# KiCad board 10133.kicad_pcb
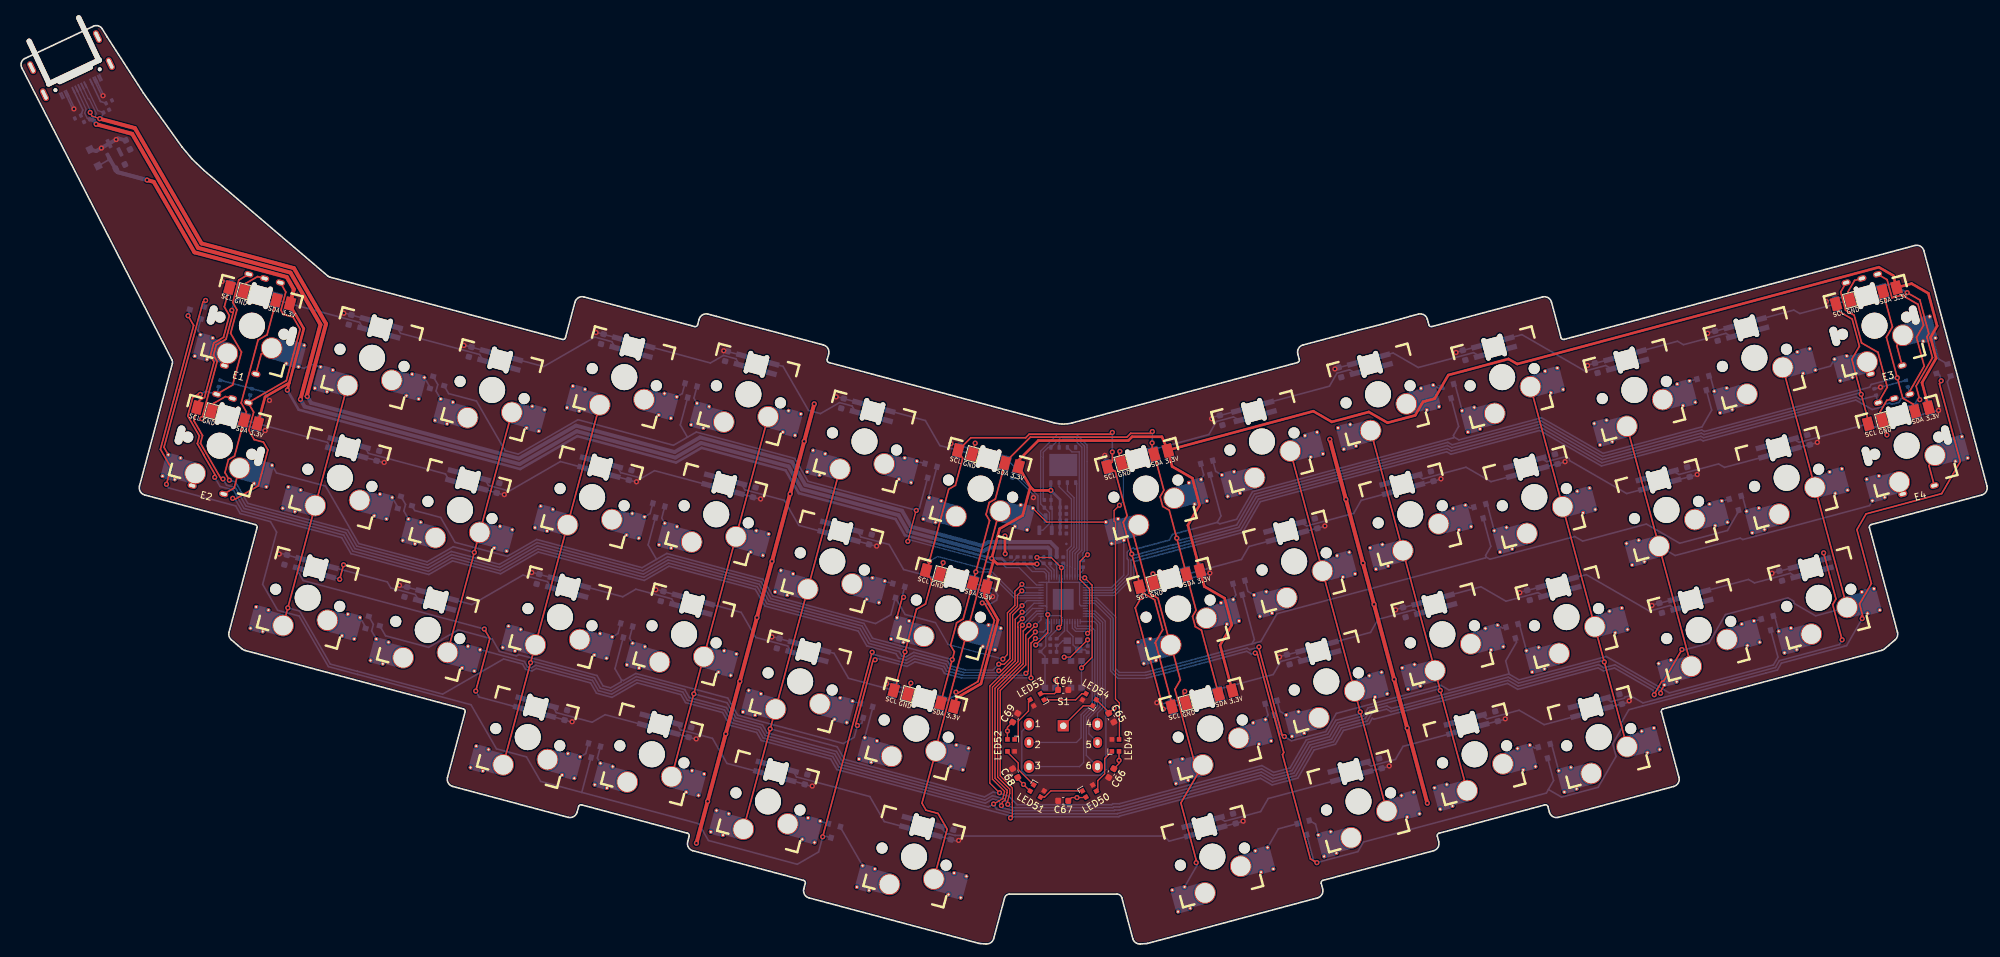
[diagram p0: board, top side]
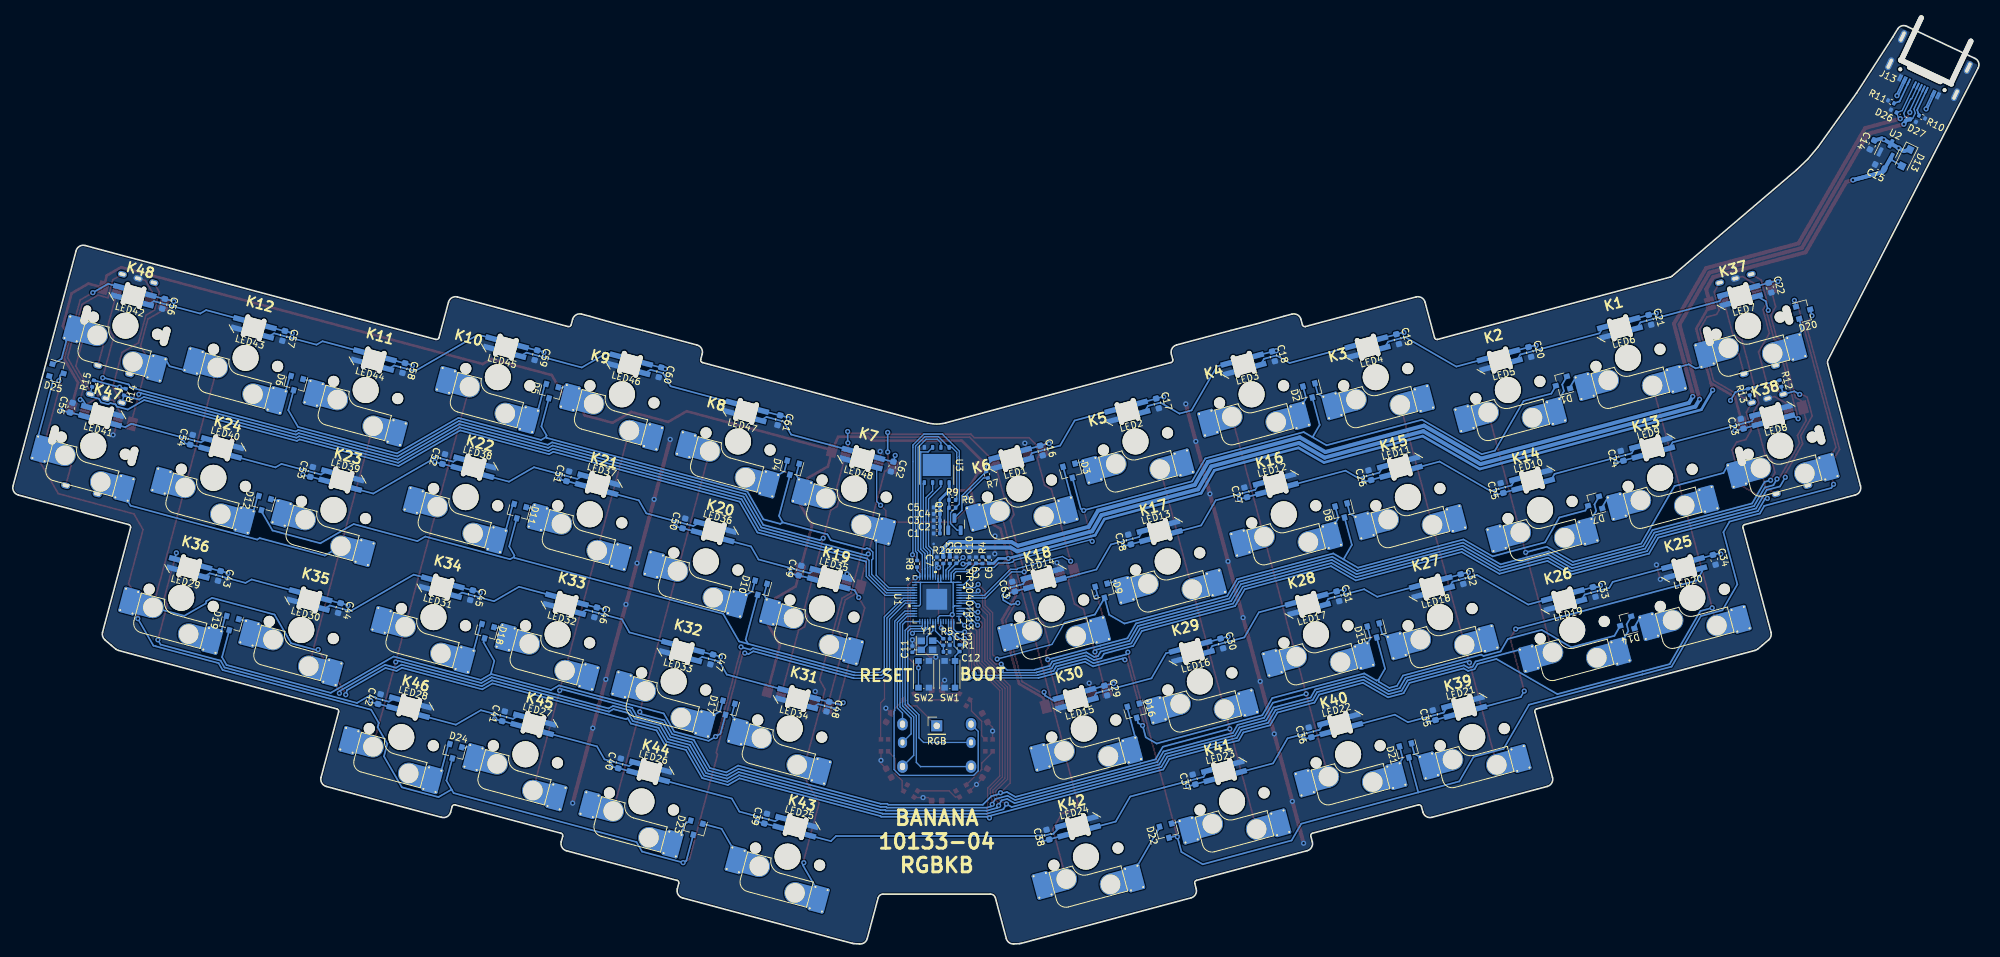
[diagram p1: board, bottom side, seen from below]

Outline 301.15 x 140.78 mm; copper layers: Top, Bottom. Coordinates in mm from the lower left corner of the outline.
Outline path: 0.06,134.36 arc(0,135.18) 0.55,135.79 11.04,140.73 arc(11.79,140.78) 12.38,140.33 13.17,139.04 18.7,130.47 24.59,122.23 26.19,120.32 27.97,118.62 46.97,102.4 arc(47.11,102.31) 47.27,102.25 82.9,92.7 arc(83.18,92.74) 83.36,92.96 84.82,98.42 arc(85.34,99.1) 86.2,99.21 103.15,94.67 arc(103.43,94.71) 103.61,94.93 103.84,95.78 arc(104.36,96.47) 105.21,96.58 106.49,96.24 arc(110.5,95.12) 114.54,94.08 122.89,91.84 arc(123.57,91.32) 123.69,90.47 123.46,89.61 arc(123.49,89.33) 123.72,89.16 158.24,79.91 arc(159.63,79.72) 161.02,79.91 195.53,89.16 arc(195.76,89.33) 195.8,89.61 195.57,90.47 arc(195.68,91.32) 196.36,91.84 204.72,94.08 arc(208.75,95.12) 212.77,96.24 214.04,96.58 arc(214.89,96.47) 215.42,95.78 215.65,94.93 arc(215.82,94.71) 216.11,94.67 233.06,99.21 arc(233.91,99.1) 234.44,98.42 235.9,92.96 arc(236.07,92.74) 236.36,92.7 290.11,107.1 arc(290.96,106.99) 291.49,106.31 301.15,70.23 arc(301.04,69.38) 300.36,68.85 283.41,64.31 arc(283.18,64.13) 283.14,63.85 287.44,47.79 arc(287.43,47.18) 287.1,46.66 arc(286.6,46.22) 286.09,45.79 285.43,45.24 arc(285.23,45.1) 285,45.02 251.54,36.05 arc(251.31,35.87) 251.27,35.59 253.96,25.54 arc(253.85,24.68) 253.17,24.16 235.49,19.42 arc(234.64,19.53) 234.11,20.22 233.89,21.07 arc(233.71,21.3) 233.43,21.33 217.2,16.99 arc(216.97,16.81) 216.93,16.53 217.16,15.68 arc(217.05,14.82) 216.37,14.3 199.41,9.76 arc(199.19,9.58) 199.15,9.3 199.38,8.44 arc(199.27,7.59) 198.58,7.07 172.55,0.09 arc(172.44,0.07) 172.33,0.06 171.44,0 arc(170.71,0.21) 170.28,0.83 168.61,7.09 arc(168.34,7.49) 167.88,7.64 151.37,7.64 arc(150.92,7.49) 150.65,7.09 148.97,0.83 arc(148.54,0.21) 147.82,0 146.92,0.06 arc(146.81,0.07) 146.7,0.09 120.67,7.07 arc(119.99,7.59) 119.88,8.44 120.11,9.3 arc(120.07,9.58) 119.84,9.76 102.89,14.3 arc(102.2,14.82) 102.09,15.68 102.32,16.53 arc(102.28,16.81) 102.06,16.99 85.83,21.33 arc(85.54,21.3) 85.37,21.07 85.14,20.22 arc(84.62,19.53) 83.76,19.42 66.09,24.16 arc(65.4,24.68) 65.29,25.54 67.98,35.59 arc(67.95,35.87) 67.72,36.05 34.25,45.02 arc(34.02,45.1) 33.82,45.24 33.16,45.79 arc(32.66,46.22) 32.15,46.66 arc(31.82,47.18) 31.81,47.79 36.11,63.85 arc(36.08,64.13) 35.85,64.31 18.9,68.85 arc(18.21,69.38) 18.1,70.23 23.13,89.01 arc(23.15,89.28) 23.08,89.55 0.06,134.36
Stack: Top 0.035mm / dielectric 1.51mm FR4 er 4.5 / Bottom 0.035mm

## Placement (name value [footprint] x y rotation side)
C1  100nF  [C_0402_1005Metric]  159.63 62.95 0 bottom
C2  100nF  [C_0402_1005Metric]  159.63 63.95 0 bottom
C3  100nF  [C_0402_1005Metric]  159.63 64.95 0 bottom
C4  100nF  [C_0402_1005Metric]  159.63 65.95 0 bottom
C5  100nF  [C_0402_1005Metric]  159.63 66.95 0 bottom
C6  100nF  [C_0402_1005Metric]  151.63 58.85 90 bottom
C7  2.2uF  [C_0402_1005Metric]  159.63 58.85 90 bottom
C8  2.2uF  [C_0402_1005Metric]  156.63 58.85 90 bottom
C9  2.2uF  [C_0402_1005Metric]  153.63 58.85 90 bottom
C10  2.2uF  [C_0402_1005Metric]  154.63 58.85 90 bottom
C11  15pF  [C_0402_1005Metric]  163.37 45.21 90 bottom
C12  15pF  [C_0402_1005Metric]  158.13 44.8 0 bottom
C13  2.2uF  [C_0402_1005Metric]  157.63 46.3 270 bottom
C14  100nF  [C_0603_1608Metric]  16.31 122.53 116 bottom
C15  100nF  [C_0603_1608Metric]  15.15 119.19 26 bottom
C16  100nF  [C_0603_1608Metric]  143.59 75.66 255 bottom
C17  100nF  [C_0603_1608Metric]  125.81 82.89 255 bottom
C18  100nF  [C_0603_1608Metric]  108.02 90.12 255 bottom
C19  100nF  [C_0603_1608Metric]  89.01 92.75 255 bottom
C20  100nF  [C_0603_1608Metric]  68.76 90.78 255 bottom
C21  100nF  [C_0603_1608Metric]  50.36 95.71 255 bottom
C22  100nF  [C_0603_1608Metric]  31.96 100.64 255 bottom
C23  100nF  [C_0603_1608Metric]  36.23 79.78 75 bottom
C24  100nF  [C_0603_1608Metric]  54.63 74.84 75 bottom
C25  100nF  [C_0603_1608Metric]  73.03 69.91 75 bottom
C26  100nF  [C_0603_1608Metric]  93.28 71.88 75 bottom
C27  100nF  [C_0603_1608Metric]  112.29 69.25 75 bottom
C28  100nF  [C_0603_1608Metric]  130.08 62.02 75 bottom
C29  100nF  [C_0603_1608Metric]  133.73 38.86 255 bottom
C30  100nF  [C_0603_1608Metric]  115.95 46.09 255 bottom
C31  100nF  [C_0603_1608Metric]  98.16 53.32 255 bottom
C32  100nF  [C_0603_1608Metric]  79.15 55.95 255 bottom
C33  100nF  [C_0603_1608Metric]  58.9 53.98 255 bottom
C34  100nF  [C_0603_1608Metric]  40.5 58.91 255 bottom
C35  100nF  [C_0603_1608Metric]  83.42 35.08 75 bottom
C36  100nF  [C_0603_1608Metric]  102.43 32.45 75 bottom
C37  100nF  [C_0603_1608Metric]  120.22 25.22 75 bottom
C38  100nF  [C_0603_1608Metric]  142.6 16.76 75 bottom
C39  100nF  [C_0603_1608Metric]  185.85 19.22 105 bottom
C40  100nF  [C_0603_1608Metric]  208.24 27.69 105 bottom
C41  100nF  [C_0603_1608Metric]  226.02 34.92 105 bottom
C42  100nF  [C_0603_1608Metric]  245.04 37.55 105 bottom
C43  100nF  [C_0603_1608Metric]  269.56 56.44 285 bottom
C44  100nF  [C_0603_1608Metric]  251.16 51.51 285 bottom
C45  100nF  [C_0603_1608Metric]  230.91 53.48 285 bottom
C46  100nF  [C_0603_1608Metric]  211.89 50.85 285 bottom
C47  100nF  [C_0603_1608Metric]  194.1 43.62 285 bottom
C48  100nF  [C_0603_1608Metric]  176.32 36.39 285 bottom
C49  100nF  [C_0603_1608Metric]  180.59 57.26 105 bottom
C50  100nF  [C_0603_1608Metric]  198.37 64.49 105 bottom
C51  100nF  [C_0603_1608Metric]  216.16 71.72 105 bottom
C52  100nF  [C_0603_1608Metric]  235.18 74.35 105 bottom
C53  100nF  [C_0603_1608Metric]  255.43 72.38 105 bottom
C54  100nF  [C_0603_1608Metric]  273.83 77.31 105 bottom
C55  100nF  [C_0603_1608Metric]  292.23 82.24 105 bottom
C56  100nF  [C_0603_1608Metric]  278.1 98.18 285 bottom
C57  100nF  [C_0603_1608Metric]  259.7 93.25 285 bottom
C58  100nF  [C_0603_1608Metric]  241.3 88.31 285 bottom
C59  100nF  [C_0603_1608Metric]  221.05 90.28 285 bottom
C60  100nF  [C_0603_1608Metric]  202.03 87.65 285 bottom
C61  100nF  [C_0603_1608Metric]  183.82 80.31 285 bottom
C62  100nF  [C_0603_1608Metric]  166.46 73.19 285 bottom
C63  100nF  [C_0603_1608Metric]  147.86 54.79 75 bottom
C64  100nF  [C_0603_1608Metric]  159.63 38.95 180 top
C65  100nF  [C_0603_1608Metric]  166.99 34.7 120 top
C66  100nF  [C_0603_1608Metric]  166.99 26.2 60 top
C67  100nF  [C_0603_1608Metric]  159.63 21.95 0 top
C68  100nF  [C_0603_1608Metric]  152.27 26.2 300 top
C69  100nF  [C_0603_1608Metric]  152.27 34.7 240 top
D1  LBAV170LT1G  [SOT-23-minimal]  63.8 85.85 345 bottom
D2  LBAV170LT1G  [SOT-23-minimal]  102.34 84.77 255 bottom
D3  LBAV170LT1G  [SOT-23-minimal]  139.1 72.45 255 bottom
D4  LBAV170LT1G  [SOT-23-minimal#2]  181.88 72.92 285 bottom
D5  LBAV170LT1G  [SOT-23-minimal#2]  218.79 84.66 285 bottom
D6  LBAV170LT1G  [SOT-23-minimal#2]  257.9 85.89 285 bottom
D7  LBAV170LT1G  [SOT-23-minimal]  58.87 67.45 345 bottom
D8  LBAV170LT1G  [SOT-23-minimal]  97.41 66.37 255 bottom
D9  LBAV170LT1G  [SOT-23-minimal]  134.17 54.05 255 bottom
D10  LBAV170LT1G  [SOT-23-minimal#2]  186.81 54.52 285 bottom
D11  LBAV170LT1G  [SOT-23-minimal#2]  223.72 66.26 285 bottom
D12  LBAV170LT1G  [SOT-23-minimal#2]  262.84 67.49 285 bottom
D13  1N4007  [D_SOD-123F]  11.14 120.57 296 bottom
D14  LBAV170LT1G  [SOT-23-minimal]  53.94 49.05 345 bottom
D15  LBAV170LT1G  [SOT-23-minimal]  92.48 47.97 255 bottom
D16  LBAV170LT1G  [SOT-23-minimal]  129.24 35.65 255 bottom
D17  LBAV170LT1G  [SOT-23-minimal#2]  191.74 36.11 285 bottom
D18  LBAV170LT1G  [SOT-23-minimal#2]  228.65 47.85 285 bottom
D19  LBAV170LT1G  [SOT-23-minimal#2]  267.77 49.09 285 bottom
D20  LBAV170LT1G  [SOT-23-minimal]  26.76 97.04 165 bottom
D21  LBAV170LT1G  [SOT-23-minimal]  87.55 29.57 255 bottom
D22  LBAV170LT1G  [SOT-23-minimal]  124.31 17.25 255 bottom
D23  LBAV170LT1G  [SOT-23-minimal#2]  196.67 17.71 285 bottom
D24  LBAV170LT1G  [SOT-23-minimal#2]  233.58 29.45 285 bottom
D25  LBAV170LT1G  [SOT-23-minimal#2]  294.39 87.75 195 bottom
D26  GG0402052R542P  [D_0402_1005Metric]  13 127.7 26 bottom
D27  GG0402052R542P  [D_0402_1005Metric]  10.04 126.26 206 bottom
E1  encoder  [encoder_minimal]  35.32 94.81 75 top
E2  encoder  [encoder_minimal]  30.39 76.41 75 top
E3  encoder  [encoder_minimal]  283.93 94.81 105 top
E4  encoder  [encoder_minimal]  288.86 76.41 105 top
G***  LOGO  [RGBKB_Logo]  159.63 14.05 0 top
G***#2  LOGO  [RGBKB_Logo]  22.73 109.25 180 bottom
J3  MKi2c 1u  [MKI2C-1U]  182.15 33.02 15 top
J4  MKi2c 1u  [MKI2C-1U]  137.1 33.02 345 top
J5  MKi2c 1u  [MKI2C-1U]  146.96 69.83 345 top
J6  MKi2c 1u  [MKI2C-1U]  30.39 76.41 345 top
J7  MKi2c 1u  [MKI2C-1U]  288.86 76.41 15 top
J8  MKi2c 1u  [MKI2C-1U]  172.29 69.83 15 top
J9  MKi2c 1u  [MKI2C-1U]  283.93 94.81 15 top
J10  MKi2c 1u  [MKI2C-1U]  142.03 51.43 345 top
J11  MKi2c 1u  [MKI2C-1U]  177.22 51.42 15 top
J12  MKi2c 1u  [MKI2C-1U]  35.32 94.81 345 top
J13  USB_C_Receptacle_USB2.0  [HRO-TYPE-C-31-M-14]  8.61 132.53 25.2 bottom
K1  KEYSW  [MX-Kailh-Socket]  53.72 89.88 345 bottom
K2  KEYSW  [MX-Kailh-Socket]  72.12 84.95 345 bottom
K3  KEYSW  [MX-Kailh-Socket]  92.37 86.92 345 bottom
K4  KEYSW  [MX-Kailh-Socket]  111.39 84.29 345 bottom
K5  KEYSW  [MX-Kailh-Socket]  129.18 77.06 345 bottom
K6  KEYSW  [MX-Kailh-Socket]  146.96 69.83 345 bottom
K7  KEYSW  [MX-Kailh-Socket#2]  172.29 69.83 15 bottom
K8  KEYSW  [MX-Kailh-Socket#2]  190.08 77.06 15 bottom
K9  KEYSW  [MX-Kailh-Socket#2]  207.86 84.29 15 bottom
K10  KEYSW  [MX-Kailh-Socket#2]  226.88 86.92 15 bottom
K11  KEYSW  [MX-Kailh-Socket#2]  247.13 84.95 15 bottom
K12  KEYSW  [MX-Kailh-Socket#2]  265.53 89.88 15 bottom
K13  KEYSW  [MX-Kailh-Socket]  48.79 71.48 345 bottom
K14  KEYSW  [MX-Kailh-Socket]  67.19 66.55 345 bottom
K15  KEYSW  [MX-Kailh-Socket]  87.44 68.52 345 bottom
K16  KEYSW  [MX-Kailh-Socket]  106.46 65.89 345 bottom
K17  KEYSW  [MX-Kailh-Socket]  124.25 58.66 345 bottom
K18  KEYSW  [MX-Kailh-Socket]  142.03 51.42 345 bottom
K19  KEYSW  [MX-Kailh-Socket#2]  177.22 51.42 15 bottom
K20  KEYSW  [MX-Kailh-Socket#2]  195.01 58.66 15 bottom
K21  KEYSW  [MX-Kailh-Socket#2]  212.79 65.89 15 bottom
K22  KEYSW  [MX-Kailh-Socket#2]  231.81 68.52 15 bottom
K23  KEYSW  [MX-Kailh-Socket#2]  252.06 66.55 15 bottom
K24  KEYSW  [MX-Kailh-Socket#2]  270.46 71.48 15 bottom
K25  KEYSW  [MX-Kailh-Socket]  43.86 53.08 345 bottom
K26  KEYSW  [MX-Kailh-Socket]  62.26 48.15 345 bottom
K27  KEYSW  [MX-Kailh-Socket]  82.51 50.12 345 bottom
K28  KEYSW  [MX-Kailh-Socket]  101.53 47.49 345 bottom
K29  KEYSW  [MX-Kailh-Socket]  119.32 40.25 345 bottom
K30  KEYSW  [MX-Kailh-Socket]  137.1 33.02 345 bottom
K31  KEYSW  [MX-Kailh-Socket#2]  182.15 33.02 15 bottom
K32  KEYSW  [MX-Kailh-Socket#2]  199.94 40.25 15 bottom
K33  KEYSW  [MX-Kailh-Socket#2]  217.72 47.49 15 bottom
K34  KEYSW  [MX-Kailh-Socket#2]  236.74 50.12 15 bottom
K35  KEYSW  [MX-Kailh-Socket#2]  256.99 48.15 15 bottom
K36  KEYSW  [MX-Kailh-Socket#2]  275.39 53.08 15 bottom
K37  KEYSW  [MX-Kailh-Socket]  35.32 94.81 345 bottom
K38  KEYSW  [MX-Kailh-Socket]  30.39 76.41 345 bottom
K39  KEYSW  [MX-Kailh-Socket]  77.58 31.71 345 bottom
K40  KEYSW  [MX-Kailh-Socket]  96.6 29.08 345 bottom
K41  KEYSW  [MX-Kailh-Socket]  114.38 21.85 345 bottom
K42  KEYSW  [MX-Kailh-Socket]  136.77 13.39 345 bottom
K43  KEYSW  [MX-Kailh-Socket#2]  182.48 13.39 15 bottom
K44  KEYSW  [MX-Kailh-Socket#2]  204.87 21.85 15 bottom
K45  KEYSW  [MX-Kailh-Socket#2]  222.65 29.08 15 bottom
K46  KEYSW  [MX-Kailh-Socket#2]  241.67 31.71 15 bottom
K47  KEYSW  [MX-Kailh-Socket#2]  288.86 76.41 15 bottom
K48  KEYSW  [MX-Kailh-Socket#2]  283.93 94.81 15 bottom
LED1  WS2812B  [WS2812-3528-Reversed]  148.19 74.43 165 bottom
LED2  WS2812B  [WS2812-3528-Reversed]  130.41 81.66 165 bottom
LED3  WS2812B  [WS2812-3528-Reversed]  112.62 88.89 165 bottom
LED4  WS2812B  [WS2812-3528-Reversed]  93.61 91.52 165 bottom
LED5  WS2812B  [WS2812-3528-Reversed]  73.36 89.55 165 bottom
LED6  WS2812B  [WS2812-3528-Reversed]  54.96 94.48 165 bottom
LED7  WS2812B  [WS2812-3528-Reversed]  36.56 99.41 165 bottom
LED8  WS2812B  [WS2812-3528-Reversed]  31.63 81.01 345 bottom
LED9  WS2812B  [WS2812-3528-Reversed]  50.03 76.08 345 bottom
LED10  WS2812B  [WS2812-3528-Reversed]  68.43 71.15 345 bottom
LED11  WS2812B  [WS2812-3528-Reversed]  88.68 73.12 345 bottom
LED12  WS2812B  [WS2812-3528-Reversed]  107.69 70.49 345 bottom
LED13  WS2812B  [WS2812-3528-Reversed]  125.48 63.26 345 bottom
LED14  WS2812B  [WS2812-3528-Reversed]  143.26 56.03 345 bottom
LED15  WS2812B  [WS2812-3528-Reversed]  138.33 37.62 165 bottom
LED16  WS2812B  [WS2812-3528-Reversed]  120.55 44.86 165 bottom
LED17  WS2812B  [WS2812-3528-Reversed]  102.76 52.09 165 bottom
LED18  WS2812B  [WS2812-3528-Reversed]  83.75 54.72 165 bottom
LED19  WS2812B  [WS2812-3528-Reversed]  63.5 52.75 165 bottom
LED20  WS2812B  [WS2812-3528-Reversed]  45.1 57.68 165 bottom
LED21  WS2812B  [WS2812-3528-Reversed]  78.82 36.32 345 bottom
LED22  WS2812B  [WS2812-3528-Reversed]  97.83 33.68 345 bottom
LED23  WS2812B  [WS2812-3528-Reversed]  115.62 26.45 345 bottom
LED24  WS2812B  [WS2812-3528-Reversed]  138 17.99 345 bottom
LED25  WS2812B  [WS2812-3528-Reversed]  181.25 17.99 15 bottom
LED26  WS2812B  [WS2812-3528-Reversed]  203.64 26.45 15 bottom
LED27  WS2812B  [WS2812-3528-Reversed]  221.42 33.68 15 bottom
LED28  WS2812B  [WS2812-3528-Reversed]  240.44 36.31 15 bottom
LED29  WS2812B  [WS2812-3528-Reversed]  274.16 57.68 195 bottom
LED30  WS2812B  [WS2812-3528-Reversed]  255.76 52.75 195 bottom
LED31  WS2812B  [WS2812-3528-Reversed]  235.51 54.72 195 bottom
LED32  WS2812B  [WS2812-3528-Reversed]  216.49 52.08 195 bottom
LED33  WS2812B  [WS2812-3528-Reversed]  198.7 44.85 195 bottom
LED34  WS2812B  [WS2812-3528-Reversed]  180.92 37.62 195 bottom
LED35  WS2812B  [WS2812-3528-Reversed]  175.99 56.02 15 bottom
LED36  WS2812B  [WS2812-3528-Reversed]  193.77 63.26 15 bottom
LED37  WS2812B  [WS2812-3528-Reversed]  211.56 70.49 15 bottom
LED38  WS2812B  [WS2812-3528-Reversed]  230.58 73.12 15 bottom
LED39  WS2812B  [WS2812-3528-Reversed]  250.83 71.15 15 bottom
LED40  WS2812B  [WS2812-3528-Reversed]  269.23 76.08 15 bottom
LED41  WS2812B  [WS2812-3528-Reversed]  287.63 81.01 15 bottom
LED42  WS2812B  [WS2812-3528-Reversed]  282.7 99.41 195 bottom
LED43  WS2812B  [WS2812-3528-Reversed]  264.3 94.48 195 bottom
LED44  WS2812B  [WS2812-3528-Reversed]  245.9 89.55 195 bottom
LED45  WS2812B  [WS2812-3528-Reversed]  225.65 91.52 195 bottom
LED46  WS2812B  [WS2812-3528-Reversed]  206.63 88.89 195 bottom
LED47  WS2812B  [WS2812-3528-Reversed]  188.84 81.66 195 bottom
LED48  WS2812B  [WS2812-3528-Reversed]  171.06 74.43 195 bottom
LED49  WS2812B-2020  [LED_WS2812B-2020_PLCC4_2.0x2.0mm]  167.63 30.45 90 top
LED50  WS2812B-2020  [LED_WS2812B-2020_PLCC4_2.0x2.0mm]  163.63 23.46 30 top
LED51  WS2812B-2020  [LED_WS2812B-2020_PLCC4_2.0x2.0mm]  155.63 23.46 330 top
LED52  WS2812B-2020  [LED_WS2812B-2020_PLCC4_2.0x2.0mm]  151.63 30.45 270 top
LED53  WS2812B-2020  [LED_WS2812B-2020_PLCC4_2.0x2.0mm]  155.63 37.45 210 top
LED54  WS2812B-2020  [LED_WS2812B-2020_PLCC4_2.0x2.0mm]  163.63 37.45 150 top
Q1  BSS138  [SOT-23]  156.92 64.38 90 bottom
R1  10kR  [R_0402_1005Metric]  156.13 45.35 270 bottom
R2  27R  [R_0402_1005Metric]  158.63 58.85 270 bottom
R3  27R  [R_0402_1005Metric]  157.63 58.85 270 bottom
R4  200R  [R_0402_1005Metric]  152.63 58.85 270 bottom
R5  1kR  [R_0402_1005Metric]  158.63 46.3 270 bottom
R6  7.15kR  [R_0402_1005Metric]  157.25 66.9 0 bottom
R7  7.15kR  [R_0402_1005Metric]  151.93 71.95 255 bottom
R8  1kR  [R_0402_1005Metric]  162.65 58.3 90 bottom
R9  10kR  [R_0402_1005Metric]  157.25 68.09 180 bottom
R10  5.1kR  [R_0402_1005Metric]  8.66 126.81 206 bottom
R11  5.1kR  [R_0402_1005Metric]  13.42 129.13 26 bottom
R12  5.1kR  [R_0402_1005Metric]  30.36 85.95 75 bottom
R13  5.1kR  [R_0402_1005Metric]  35.19 84.66 75 bottom
R14  5.1kR  [R_0402_1005Metric]  284.03 84.64 105 bottom
R15  5.1kR  [R_0402_1005Metric]  288.9 85.94 105 bottom
RGB  Conn_01x01_Pin  [PinHeader_1x01_P2.54mm_Vertical]  159.63 33.45 180 bottom
S1  -  [TM-2028]  159.63 30.45 0 top
SW1  KMR221NGLFS  [SW_Push_1P1T_NO_CK_KMR2]  157.63 41.35 90 bottom
SW2  KMR221NGLFS  [SW_Push_1P1T_NO_CK_KMR2]  161.63 41.35 270 bottom
U1  -  [RP2040TR13]  159.63 52.85 180 bottom
U2  MCP1700-3302E_SOT23  [SOT-23]  13.84 121.88 116 bottom
U3  W25Q32JVZP  [WSON-8-1EP_6x5mm_P1.27mm_EP3.4x4.3mm]  159.63 73.45 270 bottom
Y1  12Mhz  [Crystal_SMD_2520-4Pin_2.5x2.0mm]  161.13 45.8 180 bottom

## Library data of the parts
C1-C69 = -: ki_fp_filters: C_*
D13 = -: Datasheet: http://www.vishay.com/docs/88503/1n4001.pdf; ki_fp_filters: D*DO?41*
D26 D27 = -: ki_fp_filters: TO-???* *_Diode_* *SingleDiode* D_*
J3-J12 = -: ki_fp_filters: Connector*:*_1x??_*
J13 = -: Datasheet: https://www.usb.org/sites/default/files/documents/usb_type-c.zip; ki_fp_filters: USB*C*Receptacle*
LED49-LED54 = -: Datasheet: https://cdn-shop.adafruit.com/product-files/4684/4684_WS2812B-2020_V1.3_EN.pdf; Description: RGB LED with integrated controller, 2.0 x 2.0 mm, 12 mA; ki_fp_filters: LED*WS2812*-2020_PLCC4*
Q1 = -: Datasheet: https://www.fairchildsemi.com/datasheets/BS/BSS138.pdf; ki_fp_filters: SOT?23*
R1-R15 = -: ki_fp_filters: R_*
RGB = -: Description: Generic connector, single row, 01x01, script generated; ki_fp_filters: Connector*:*_1x??_*
U1 = -: Field4: 0.268in/6.807mm; Field5: 0.016in/0.4mm; Field6: 0.268in/6.807mm; Field7: 0.032in/0.813mm; Field8: 0.126in/3.2mm; Field9: 0.007in/0.178mm; Field10: 0.126in/3.2mm; ki_fp_filters: QFN56_7X7_RPI QFN56_7X7_RPI-M QFN56_7X7_RPI-L
U2 = -: Datasheet: http://ww1.microchip.com/downloads/en/DeviceDoc/20001826D.pdf; ki_fp_filters: SOT?23*
U3 = -: Datasheet: http://www.winbond.com/resource-files/w25q32jv%20revg%2003272018%20plus.pdf; ki_fp_filters: WSON*1EP*6x5mm*P1.27mm*
Y1 = -: ki_fp_filters: Crystal*

## Footprints (pads in the part's own frame, mm; a bottom-side part is the same pattern mirrored in y, then rotated)
C_0402_1005Metric
  rrect 0.56x0.62 smd: 1(-0.48,0) 2(0.48,0)
C_0603_1608Metric
  rrect 0.9x0.95 smd: 1(-0.775,0) 2(0.775,0)
Crystal_SMD_2520-4Pin_2.5x2.0mm
  rect 1.15x1 smd: 1(-0.875,-0.7) 2(0.875,-0.7) 3(0.875,0.7) 4(-0.875,0.7)
D_0402_1005Metric
  rrect 0.59x0.64 smd: 1(-0.485,0) 2(0.485,0)
D_SOD-123F
  rect 1.1x1.1 smd: 1(-1.4,0) 2(1.4,0)
encoder_minimal
  oval 3x1.2 hole 3x1.2 unplated: (0,6.3) (0,-6.3)
  oval 0.9x1.4 hole 0.5x1: 1(7.5,-2.5) 2(7.5,2.5) 3(7.5,0) 4(-7,2.5) 5(-7,-2.5)
HRO-TYPE-C-31-M-14
  oval 0.8x8 hole 0.8x8 unplated: (-4.2,-4.9) (4.2,-4.9)
  round 0.6 hole 0.6 unplated: (-3.75,0) (3.75,0)
  rect 0.3x1.1 smd: (-1.75,1.2) (1.25,1.2) A1(-3.35,1.2) A5(-1.25,1.2) A6(-0.25,1.2) A7(0.25,1.2) A12(3.35,1.2) B4(2.3,1.2) B5(1.75,1.2) B6(0.75,1.2) B7(-0.75,1.2) B9(-2.3,1.2)
  oval 9.4x0.8 hole 9.4x0.8 unplated: (0,-1.31)
  oval 6x0.8 hole 6x0.8 unplated: (0,-0.91)
  rect 0.275x1.1 smd: A4(-2.587,1.2) A9(2.587,1.2) B1(3.062,1.2) B12(-3.063,1.2)
  oval 0.9x2.05 hole 0.5x1.65: S1(-5.575,-4.68) S1(-5.575,-0.08) S1(5.575,-4.68) S1(5.575,-0.08)
LED_WS2812B-2020_PLCC4_2.0x2.0mm
  rect 0.7x0.7 smd: 1(-0.915,0.55) 2(-0.915,-0.55) 3(0.915,-0.55) 4(0.915,0.55)
MKI2C-1U
  round 2.7 hole 2.7 unplated: (0,0)
  rect 1.5x2 smd: 1(-2.6,4.763) 2(2.6,4.763) 3(-4.838,4.763) 4(4.763,4.763)
MX-Kailh-Socket
  rrect 2.55x3 smd: (-6.29,5.08) (7.56,2.54)
  round 1.702 hole 1.702 unplated: (-5.08,0) (5.08,0)
  round 3.988 hole 3.988 unplated: (0,0)
  round 3.3 hole 3: 1(3.81,2.54) 2(-2.54,5.08)
  rect 3.3x3.3 smd: 1(5.46,2.55) 2(-4.19,5.08)
  round 0.6 hole 0.3: 1(6.59,0.84) 1(6.59,4.242) 1(8.53,0.838) 1(8.53,4.242) 2(-7.26,6.78) 2(-7.26,3.378) 2(-5.32,3.378) 2(-5.32,6.782)
  rrect 2.55x4 smd: 1(7.56,2.54) 2(-6.29,5.08)
MX-Kailh-Socket#2
  rrect 2.55x3 smd: (-6.29,5.08) (7.56,2.54)
  round 1.702 hole 1.702 unplated: (-5.08,0) (5.08,0)
  round 3.988 hole 3.988 unplated: (0,0)
  round 3.3 hole 3: 1(3.81,2.54) 2(-2.54,5.08)
  rect 3.3x3.3 smd: 1(5.46,2.55) 2(-4.19,5.08)
  round 0.6 hole 0.3: 1(6.59,4.242) 1(6.59,0.84) 1(8.53,0.838) 1(8.53,4.242) 2(-7.26,3.378) 2(-7.26,6.78) 2(-5.32,3.378) 2(-5.32,6.782)
  rrect 2.55x4 smd: 1(7.56,2.54) 2(-6.29,5.08)
PinHeader_1x01_P2.54mm_Vertical
  rect 1.7x1.7 hole 1: 1(0,0)
R_0402_1005Metric
  rrect 0.54x0.64 smd: 1(-0.51,0) 2(0.51,0)
RP2040TR13
  rect 0.813x0.178 smd: 1(-3.404,2.6) 2(-3.404,2.2) 3(-3.404,1.8) 4(-3.404,1.4) 5(-3.404,1) 6(-3.404,0.6) 7(-3.404,0.2) 8(-3.404,-0.2) 9(-3.404,-0.6) 10(-3.404,-1) 11(-3.404,-1.4) 12(-3.404,-1.8) 13(-3.404,-2.2) 14(-3.404,-2.6) 29(3.404,-2.6) 30(3.404,-2.2) 31(3.404,-1.8) 32(3.404,-1.4) 33(3.404,-1) 34(3.404,-0.6) 35(3.404,-0.2) 36(3.404,0.2) 37(3.404,0.6) 38(3.404,1) 39(3.404,1.4) 40(3.404,1.8) 41(3.404,2.2) 42(3.404,2.6)
  rect 0.178x0.813 smd: 15(-2.6,-3.404) 16(-2.2,-3.404) 17(-1.8,-3.404) 18(-1.4,-3.404) 19(-1,-3.404) 20(-0.6,-3.404) 21(-0.2,-3.404) 22(0.2,-3.404) 23(0.6,-3.404) 24(1,-3.404) 25(1.4,-3.404) 26(1.8,-3.404) 27(2.2,-3.404) 28(2.6,-3.404) 43(2.6,3.404) 44(2.2,3.404) 45(1.8,3.404) 46(1.4,3.404) 47(1,3.404) 48(0.6,3.404) 49(0.2,3.404) 50(-0.2,3.404) 51(-0.6,3.404) 52(-1,3.404) 53(-1.4,3.404) 54(-1.8,3.404) 55(-2.2,3.404) 56(-2.6,3.404)
  rect 3.2x3.2 smd: 57(0,0)
SOT-23
  rrect 1.475x0.6 smd: 1(-0.938,0.95) 2(-0.938,-0.95) 3(0.938,0)
SOT-23-minimal
  rect 0.9x0.8 smd: 1(-1,0.95) 2(-1,-0.95) 3(1,0)
SOT-23-minimal#2
  rect 0.9x0.8 smd: 1(-1,0.95) 2(-1,-0.95) 3(1,0)
SW_Push_1P1T_NO_CK_KMR2
  rect 0.9x1 smd: 1(-2.05,0.8) 1(2.05,0.8) 2(-2.05,-0.8) 2(2.05,-0.8)
TM-2028
  oval 1.6x1.9 hole 0.8x1.1: 1(-5.25,3.25) 3(-5.25,-3.25) 4(5.25,3.25) 6(5.25,-3.25)
  oval 1.4x1.7 hole 0.6x0.9: 2(-5.25,0.45) 5(5.25,0.45)
WS2812-3528-Reversed
  oval 0.75x3.55 hole 0.75x3.55 unplated: (-1.275,0) (1.275,0)